# Altium PCB shkb.PcbDoc (part 1 of 3)
Units mil, origin at the board's own origin, x right, y up, seen from the top; angles counter-clockwise.
Board outline 5570.88 x 1417.33 mil, 4 copper layers (COMPONENT, GND1, GND2, SIGNAL), stack 63.78 mil thick; 143 components, 119 nets, 553 pads, 660 vias.
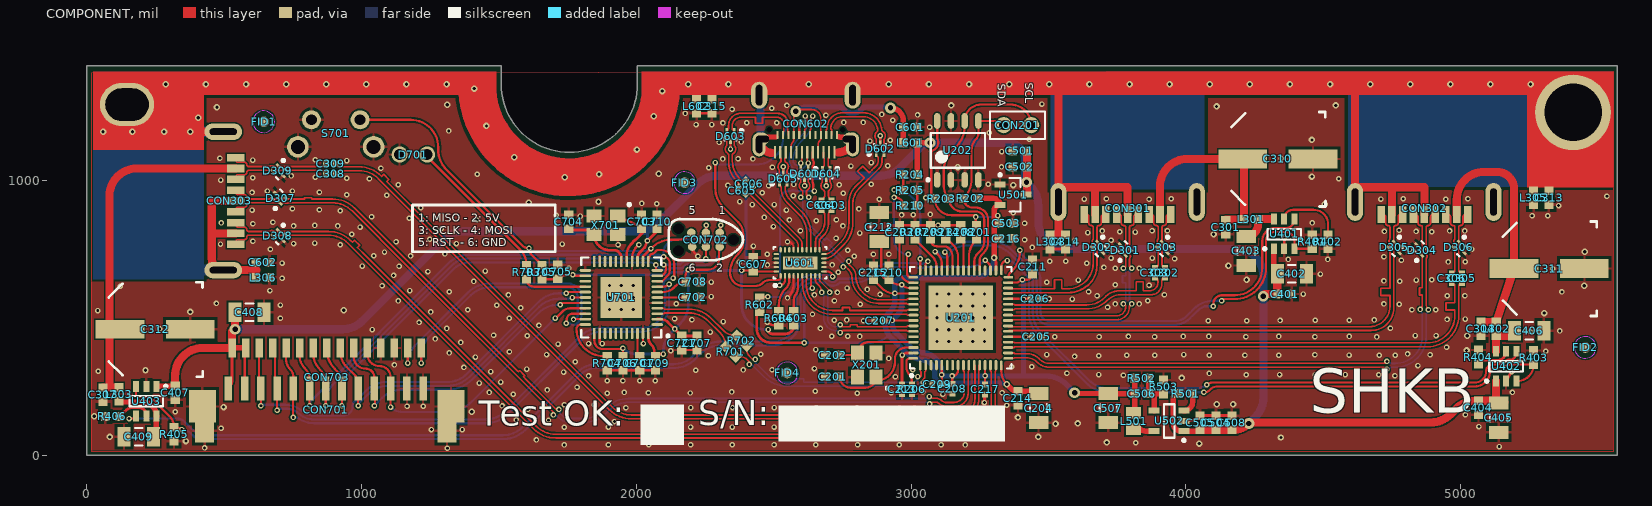
[diagram p0: COMPONENT view]
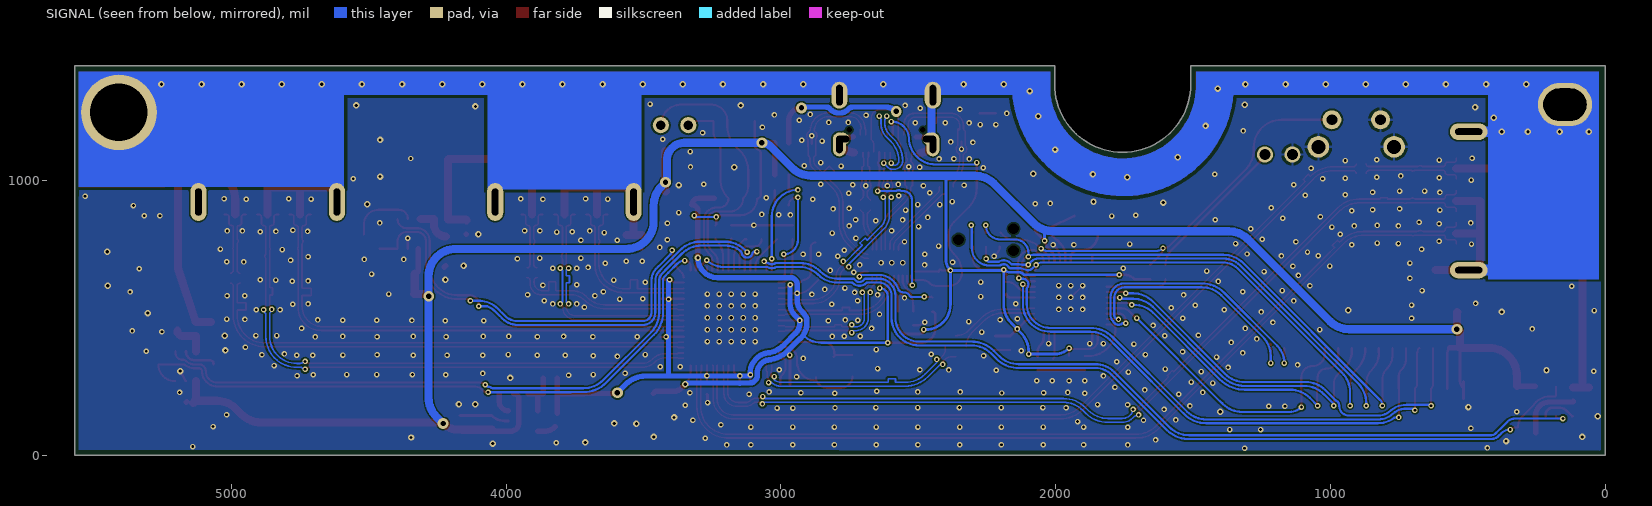
[diagram p1: SIGNAL view, seen from below]
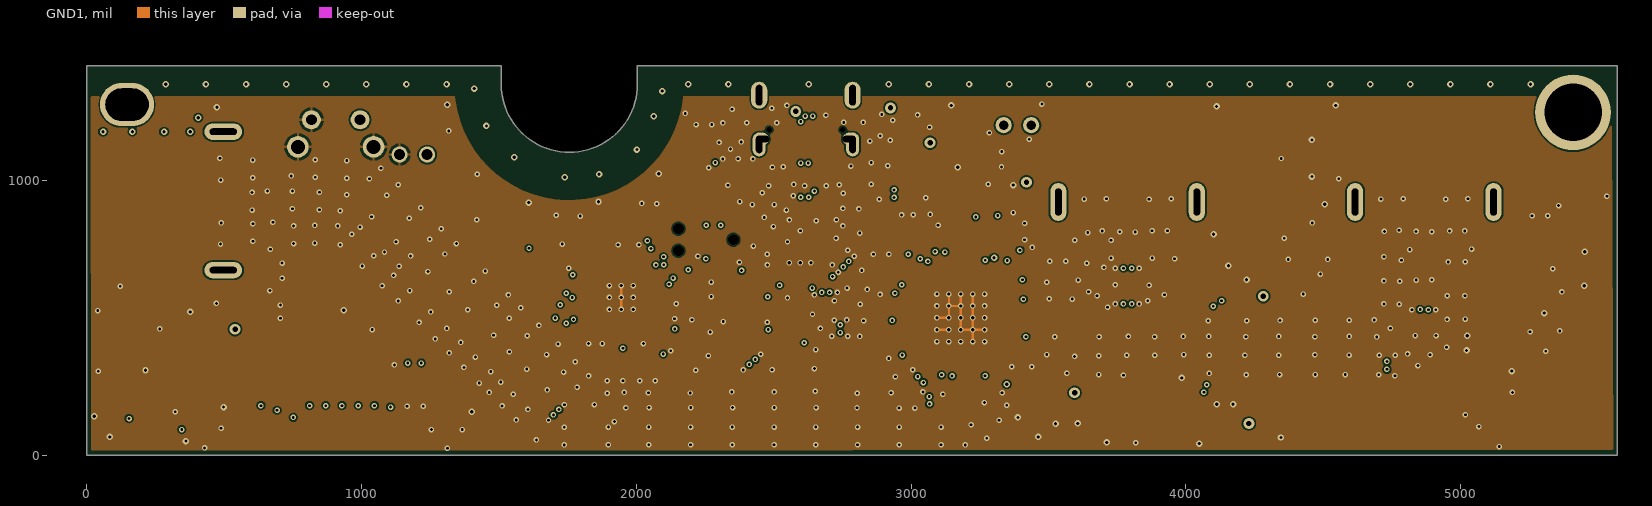
[diagram p2: GND1]
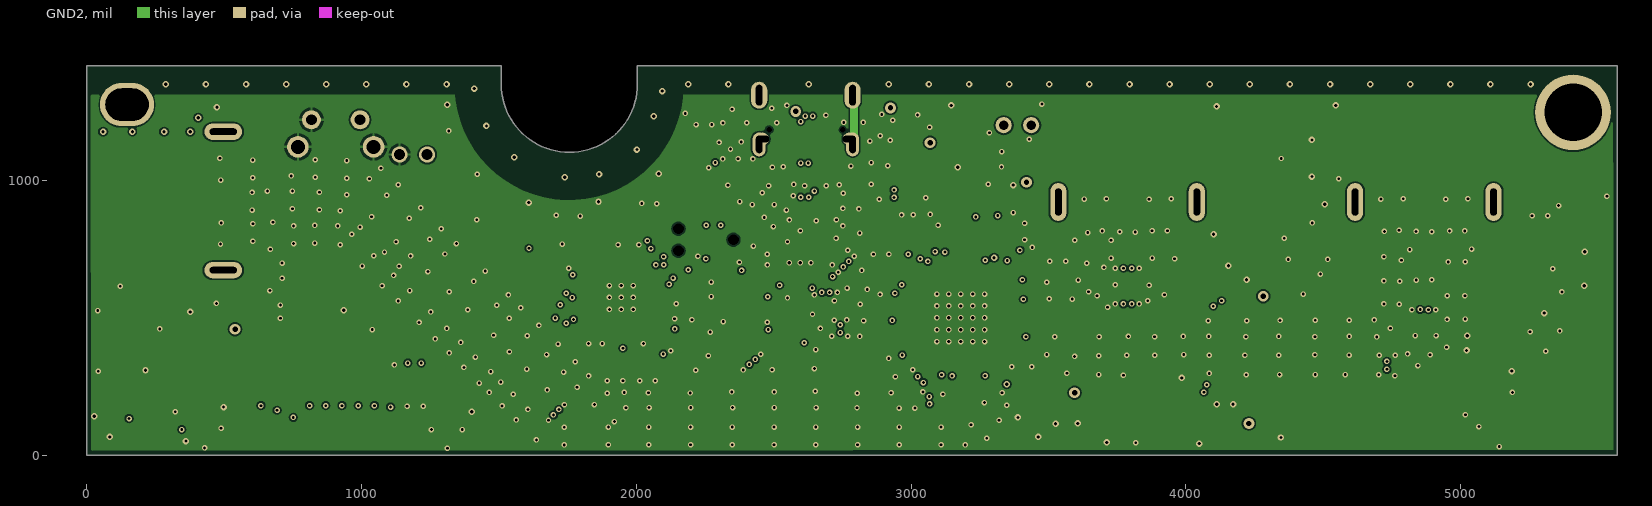
[diagram p3: GND2]

## Layer stack, top to bottom
Top Solder: solder mask 0.4, Solder Resist, Dk 3.5
COMPONENT: signal copper 1.378
Dielectric 1: core 5.5118, FR-4, Dk 4.6
GND1: signal copper 1.378
Dielectric 6: core 47.2441, Dk 4.6
GND2: signal copper 1.378
Dielectric 4: core 5.5118, Dk 4.6
SIGNAL: signal copper 1.378
Bottom Solder: solder mask 0.4, Solder Resist, Dk 3.5

## Board outline
0,0 0,1417.33 1507.88,1417.33 1507.88,1350.4 ccw(c1755.91,1350.4) 1755.91,1102.36 ccw(c1755.91,1350.4) 2003.94,1350.4 2003.94,1417.33 5570.88,1417.33 5570.88,0

## Design rules (kind name [scope] priority, off if disabled: settings)
BoardOutlineClearance [All] p1: gap=10 ignorepadtopadclearanceinfootprint=FALSE except(0: Arc-SplitContinuation Track-SplitContinuation SMDPad-SplitContinuation THPad-SplitContinuation Via-SplitContinuation Fill-SplitContinuation Poly-SplitContinuation Region-SplitContinuation Text-SplitContinuation)
Clearance Clearance_3 [InComponent('U603') vs InNet('SHELD1')] p1 off: gap=5.98 ignorepadtopadclearanceinfootprint=FALSE except(0: Arc-Hole Track-Hole SMDPad-Hole THPad-Hole Via-Hole Fill-Hole Poly-Hole Region-Hole Text-Hole)
Clearance Clearance_1 [InNamedPolygon('Component_side_GND') vs InNet('SHELD1')] p2 off: gap=40 ignorepadtopadclearanceinfootprint=FALSE except(0: Arc-Hole Track-Hole SMDPad-Hole THPad-Hole Via-Hole Fill-Hole Poly-Hole Region-Hole Text-Hole)
Clearance Clearance_2 [InNamedPolygon('S') vs InNet('SHELD1')] p3 off: gap=40 ignorepadtopadclearanceinfootprint=FALSE except(0: Arc-Hole Track-Hole SMDPad-Hole THPad-Hole Via-Hole Fill-Hole Poly-Hole Region-Hole Text-Hole)
Clearance [All] p4: gap=6 ignorepadtopadclearanceinfootprint=FALSE except(0: Arc-Hole Track-Hole SMDPad-Hole THPad-Hole Via-Hole Fill-Hole Poly-Hole Region-Hole Text-Hole)
DiffPairsRouting DiffPair_DIFF90DiffPairsRouting [InDifferentialPairClass('DIFF90')] p1: maxlimit=10 minlimit=5 mostfreqgap=8 toplayer_minwidth=6 toplayer_maxwidth=6 toplayer_prefwidth=6 midlayer2_minwidth=6 midlayer2_maxwidth=6 midlayer2_prefwidth=6 midlayer3_minwidth=6 midlayer3_maxwidth=6 midlayer3_prefwidth=6 bottomlayer_minwidth=6 bottomlayer_maxwidth=6 bottomlayer_prefwidth=6 maxuncoupledlength=0
DiffPairsRouting [All] p2: maxlimit=10 minlimit=8 mostfreqgap=8 toplayer_minwidth=6 toplayer_maxwidth=15 toplayer_prefwidth=6 midlayer2_minwidth=6 midlayer2_maxwidth=15 midlayer2_prefwidth=6 midlayer3_minwidth=6 midlayer3_maxwidth=15 midlayer3_prefwidth=6 bottomlayer_minwidth=6 bottomlayer_maxwidth=15 bottomlayer_prefwidth=6 maxuncoupledlength=500
DiffPairsRouting DiffPair_DiffPairsRouting [InDifferentialPairClass('DIFF90')] p3: maxlimit=10 minlimit=10 mostfreqgap=10 toplayer_minwidth=15 toplayer_maxwidth=15 toplayer_prefwidth=15 midlayer2_minwidth=15 midlayer2_maxwidth=15 midlayer2_prefwidth=15 midlayer3_minwidth=15 midlayer3_maxwidth=15 midlayer3_prefwidth=15 bottomlayer_minwidth=15 bottomlayer_maxwidth=15 bottomlayer_prefwidth=15 maxuncoupledlength=500
HoleSize [All] p1: absolutevalues=TRUE maxlimit=208.66 minlimit=10 maxpercent=80.000 minpercent=20.000
MatchedLengths MatchLengths_xSignals_U201_Passives [InxSignalClass('xSignals_U201_Passives_MatchLengthsClass')] p1: tolerance=5.12 checknetsindiffpair=FALSE checkdiffpairvsdiffpair=TRUE checkxsignals=TRUE checkothers=TRUE
MatchedLengths MatchLengths_xSignals_U201_CON303_1 [InxSignalClass('xSignals_U201_CON303_MatchLengthsClass')] p2: tolerance=5.12 checknetsindiffpair=FALSE checkdiffpairvsdiffpair=TRUE checkxsignals=TRUE checkothers=TRUE
MatchedLengths MatchLengths_xSignals_U201_CON303 [InxSignalClass('xSignals_U201_CON303_MatchLengthsClass')] p3: tolerance=5.12 checknetsindiffpair=FALSE checkdiffpairvsdiffpair=TRUE checkxsignals=TRUE checkothers=TRUE
MatchedLengths MatchedLengths_USB_DiffPairs_3 [InxSignalClass('USB_CHCON301_1_RX_1') OR InxSignalClass('USB_CHCON301_1_TX_1')] p4: tolerance=5 checknetsindiffpair=TRUE checkdiffpairvsdiffpair=FALSE checkxsignals=FALSE checkothers=FALSE
MatchedLengths MatchedLengths_USB_DiffPairs_2 [InxSignalClass('USB_CHCON602_1_RX_2')] p5: tolerance=5 checknetsindiffpair=TRUE checkdiffpairvsdiffpair=FALSE checkxsignals=FALSE checkothers=FALSE
MatchedLengths MatchedLengths_USB_DiffPairs_1 [InxSignalClass('USB_CHCON602_1_RX_1') OR InxSignalClass('USB_CHCON602_1_TX_1')] p6: tolerance=5 checknetsindiffpair=TRUE checkdiffpairvsdiffpair=FALSE checkxsignals=FALSE checkothers=FALSE
MatchedLengths MatchedLengths_USB_DiffPairs_602 [InxSignalClass('USB_CHCON602_1_DL')] p7: tolerance=5 checknetsindiffpair=TRUE checkdiffpairvsdiffpair=FALSE checkxsignals=FALSE checkothers=FALSE
MatchedLengths MatchedLengths_USB_DiffPairs_303 [InxSignalClass('USB_CHCON303_1_DL') OR InxSignalClass('USB_CHCON303_1_RX') OR InxSignalClass('USB_CHCON303_1_TX')] p8: tolerance=5 checknetsindiffpair=TRUE checkdiffpairvsdiffpair=FALSE checkxsignals=FALSE checkothers=FALSE
MatchedLengths MatchedLengths_USB_DiffPairs_302 [InxSignalClass('USB_CHCON302_1_DL') OR InxSignalClass('USB_CHCON302_1_RX') OR InxSignalClass('USB_CHCON302_1_TX')] p9: tolerance=5 checknetsindiffpair=TRUE checkdiffpairvsdiffpair=FALSE checkxsignals=FALSE checkothers=FALSE
MatchedLengths MatchedLengths_USB_DiffPairs_301 [InxSignalClass('USB_CHCON301_1_DL') OR InxSignalClass('USB_CHCON301_1_RX') OR InxSignalClass('USB_CHCON301_1_TX')] p10: tolerance=5 checknetsindiffpair=TRUE checkdiffpairvsdiffpair=FALSE checkxsignals=FALSE checkothers=FALSE
MatchedLengths MatchedLengths_USB_DiffPairs_201 [InxSignalClass('USB_CHU201_1_RX') OR InxSignalClass('USB_CHU201_1_TX')] p11: tolerance=5 checknetsindiffpair=TRUE checkdiffpairvsdiffpair=FALSE checkxsignals=FALSE checkothers=FALSE
MatchedLengths MatchedLengths_USB_DiffPairs_All [InxSignalClass('All xSignals')] p12: tolerance=5 checknetsindiffpair=TRUE checkdiffpairvsdiffpair=FALSE checkxsignals=FALSE checkothers=FALSE
MatchedLengths MatchedLengths_USB_DiffPairs [InxSignalClass('USB_CHCON602_1_RX') OR InxSignalClass('USB_CHCON602_1_TX')] p13: tolerance=5 checknetsindiffpair=TRUE checkdiffpairvsdiffpair=FALSE checkxsignals=FALSE checkothers=FALSE
MinimumAnnularRing [All] p1: minimumring=4
MinimumSolderMaskSliver [All] p1 off: minsoldermaskwidth=5.91
PlaneClearance PlaneClearance_PADS [(InComponent('U201') Or InComponent('U701')) and InNet('PAD1')] p1: clearance=15.75
PlaneClearance [All] p2: clearance=20
PlaneConnect Power_connection_VBUS [InNet('PAD1') And (InComponent('U201') Or InComponent('U701'))] p1: planeconnectstyle=Relief reliefexpansion=11.81 reliefentries=4 reliefconductorwidth=5.91 reliefairgap=10
PlaneConnect Power_connection_VBUS_1 [InNet('NetC601_2')] p2: planeconnectstyle=Direct reliefexpansion=20 reliefentries=4 reliefconductorwidth=10 reliefairgap=10
PlaneConnect [All] p3: planeconnectstyle=Relief reliefexpansion=20 reliefentries=4 reliefconductorwidth=10 reliefairgap=10
PolygonConnect PolygonConnect_1 [All vs IsVia] p1: connectstyle=Direct reliefconductorwidth=10 reliefentries=4 polygonreliefangle="90 Angle" airgapwidth=10
PolygonConnect [All] p2: connectstyle=Relief reliefconductorwidth=10 reliefentries=4 polygonreliefangle="90 Angle" airgapwidth=10
RoutingVias RoutingVias_1 [InDifferentialPairClass('DIFF90')] p1: holewidth=10 width=10 viastyle="Through Hole" minholewidth=10 minwidth=20 maxholewidth=10 maxwidth=20
RoutingVias [All] p2: holewidth=10 width=20 viastyle="Through Hole" minholewidth=10 minwidth=20 maxholewidth=28 maxwidth=50
SolderMaskExpansion [All] p1: expansion=4 istentingtop=FALSE
Width Width_USB_traces [InNet('MCU_D_N') Or InNet('MCU_D_P')] p1: maxlimit=6 minlimit=6 preferedwidth=6
Width [All] p2: maxlimit=140 minlimit=6 preferedwidth=8
25 further rules are at their usual default settings.

## Classes and differential pairs
component class Designator: C201 C202 C203 C204 C205 C206 C207 C208 C209 C210 C211 C212 C213 C214 C215 C216 C217 CON201 FID1 FID2 FID3 FID4 R201 R202 R203 R204 R205 R206 R207 R208 R209 R210 R214 U201 U202 X201
differential pair UP_SSTX: +UP_SSTX_P -UP_SSTX_N
differential pair UP_SSRX: +UP_SSRX_P -UP_SSRX_N
differential pair MCU_D_PRE: +MCU_D_PRE_P -MCU_D_PRE_N
differential pair UP_D: +UP_D_P -UP_D_N
differential pair P3_SSTX: +P3_SSTX_P -P3_SSTX_N
differential pair P3_SSTX_PRE: +P3_SSTX_PRE_P -P3_SSTX_PRE_N
differential pair P3_SSRX: +P3_SSRX_P -P3_SSRX_N
differential pair P3_D: +P3_D_P -P3_D_N
differential pair P2_SSTX: +P2_SSTX_P -P2_SSTX_N
differential pair P2_SSTX_PRE: +P2_SSTX_PRE_P -P2_SSTX_PRE_N
differential pair P2_SSRX: +P2_SSRX_P -P2_SSRX_N
differential pair P2_D: +P2_D_P -P2_D_N
differential pair P1_SSTX: +P1_SSTX_P -P1_SSTX_N
differential pair P1_SSTX_PRE: +P1_SSTX_PRE_P -P1_SSTX_PRE_N
differential pair P1_SSRX: +P1_SSRX_P -P1_SSRX_N
differential pair P1_D: +P1_D_P -P1_D_N
differential pair MCU_D: +MCU_D_P -MCU_D_N
differential pair UP_SSRX1: +UP_SSRX1_P -UP_SSRX1_N
differential pair UP_SSRX2: +UP_SSRX2_P -UP_SSRX2_N
differential pair UP_SSTX1_PRE: +UP_SSTX1_PRE_P -UP_SSTX1_PRE_N
differential pair UP_SSTX1: +UP_SSTX1_P -UP_SSTX1_N
differential pair UP_SSTX2_PRE: +UP_SSTX2_PRE_P -UP_SSTX2_PRE_N
differential pair UP_SSTX2: +UP_SSTX2_P -UP_SSTX2_N

## Components (designator, comment, footprint, x,y, rotation, side; value= is the part's Value field where it differs from the comment)
C201 "" C0603[1608] 2714,286 r0 top value=27pF
C202 "" C0603[1608] 2714,364 r0 top value=27pF
C203 "" C0603[1608] 2958,811 r90 top value=1uF
C204 "" C1206[3216] 3464,171 r90 top value=10uF
C205 "" C0402[1005] 3458,430 r180 top value=0.1uF
C206 "" C0402[1005] 3452,569 r180 top value=0.1uF
C207 "" C0402[1005] 2885,489 r0 top value=0.1uF
C208 "" C0402[1005] 3150,241 r90 top value=0.1uF
C209 "" C0402[1005] 3094.72,258.72 r0 top value=0.1uF
C210 "" C0603[1608] 2919.02,663.43 r270 top value=0.1uF
C211 "" C0603[1608] 3442,685 r270 top value=0.1uF
C212 "" C1206[3216] 2884,830 r270 top value=10uF
C213 "" C0402[1005] 2967,240 r90 top value=0.1uF
C214 "" C0603[1608] 3389,207 r90 top value=0.1uF
C215 "" C0603[1608] 2862.91,663.43 r270 top value=0.1uF
C216 "" C0603[1608] 3345.41,788 r180 top value=0.1uF
C217 "" C0402[1005] 3269,239 r90 top value=0.1uF
C301 "" C0603[1608] 4145,829 r90 top value=0.1uF
C302 "" C0402[1005] 3924,664 r270 top value=0.1uF
C303 "" C0402[1005] 3887,664 r270 top value=0.1uF
C304 "" C0603[1608] 5074,459.5 r90 top value=0.1uF
C305 "" C0402[1005] 5004.82,644 r90 top value=0.1uF
C306 "" C0402[1005] 4968,644 r90 top value=0.1uF
C307 "" C0603[1608] 58,220 r90 top value=0.1uF
C308 "" C0402[1005] 887.5,1024 r180 top value=0.1uF
C309 "" C0402[1005] 887.5,1061 r180 top value=0.1uF
C310 "" C_9L_9M 4335,1078 r0 top value=120-150uF
C311 "" C_9L_9M 5322.83,679 r0 top value=120-150uF
C312 "" C_9L_9M 248,458 r0 top value=120-150uF
C313 "" C0603[1608] 5322.35,937 r90 top value=0.1uF
C314 "" C0603[1608] 3562,776 r90 top value=0.1uF
C315 "" C0603[1608] 2275.5,1269.69 r90 top value=0.1uF
C401 "" C0603[1608] 4360,586 r180 top value=0.1uF
C402 "" C1206[3216] 4386,660 r180 top value=4.7uF
C403 "" C1206[3216] 4220,743 r90 top value=10uF
C404 "" C0603[1608] 5065,172 r90 top value=0.1uF
C405 "" C1206[3216] 5139,136 r90 top value=4.7uF
C406 "" C1206[3216] 5249.83,452.55 r180 top value=10uF
C407 "" C0603[1608] 321,227 r90 top value=0.1uF
C408 "" C1206[3216] 591.18,520 r180 top value=4.7uF
C409 "" C1206[3216] 188.32,66.75 r0 top value=10uF
C501 "" C0603[1608] 3395.59,1107 r0 top value=1uF
C502 "" C0603[1608] 3396,1049 r0 top value=1uF
C503 "" C0603[1608] 3346,844 r180 top value=1uF
C504 "" C0603[1608] 4110,118.11 r270 top value=1uF
C505 "" C0603[1608] 4052,118.11 r270 top value=0.1uF
C506 "" C0603[1608] 3840,224 r180 top value=18pF
C507 "" C1206[3216] 3718,171 r90 top value=10uF
C508 "" C0603[1608] 4168,118.11 r270 top value=1uF
C601 "" C0603[1608] 2997,1194 r180 top value=0.1uF
C602 "" C0603[1608] 639.77,701.3 r180 top value=0.1uF
C603 "" C0402[1005] 2710.69,910 r270 top value=0.1uF
C604 "" C0402[1005] 2673.37,910 r270 top value=0.1uF
C605 "" C0402[1005] 2384.65,962.68 r315 top value=0.1uF
C606 "" C0402[1005] 2410.08,988.15 r315 top value=0.1uF
C607 "" C0603[1608] 2425,695 r270 top value=0.1uF
C701 "" C0603[1608] 2012.5,334.65 r270 top value=0.1uF
C702 "" C0603[1608] 2205,575 r0 top value=1uF
C703 "" C0603[1608] 2019,849 r270 top value=18pF
C704 "" C0603[1608] 1754,849 r270 top value=18pF
C705 "" C0603[1608] 1714,667 r270 top value=0.1uF
C706 "" C0603[1608] 1951,334.65 r90 top value=0.1uF
C707 "" C0603[1608] 2221,408 r90 top value=0.1uF
C708 "" C0603[1608] 2205,631 r180 top value=0.1uF
C709 "" C0603[1608] 2069,334.65 r90 top value=1uF
C710 "" C0603[1608] 2075,849 r270 top value=0.1uF
C721 "" C0603[1608] 2165,408 r90 top value=0.1uF
CON201 "Header 2" HDR1X2 3437,1201 r180 top
CON301 "XKB USB-A u231-091n-4blra00-s" "XKB USB-A U231-091N-4BLRA00-S" 3787.99,921.26 r180 top
CON302 "XKB USB-A u231-091n-4blra00-s" "XKB USB-A U231-091N-4BLRA00-S" 4868.11,921.26 r180 top
CON303 "XKB USB-A u231-091n-4blra00-s" "XKB USB-A U231-091N-4BLRA00-S" 496.06,925.2 r270 top locked
CON602 "for up to 1.6mm pcb" "XKB USB-C U262-241N-4BV64" 2617.01,1220.47 r180 top locked
CON701 "HHKB-board connector" "JST S13B-ZR-SM4A-TF(LF)(SN)" 1223.55,242 r180 top locked
CON702 "TC2030-IDC" TC2030-IDC-NL 2253,784 r180 top
CON703 "HHKB-board connector JP" DF14A-15P-1.25H 872.49,177.17 r180 top locked
D301 "TPD2EUSB30A" TPD2EUSB30A 3775,751 r135 top
D302 "TPD2EUSB30A" TPD2EUSB30A 3683,751 r315 top
D303 "TPD2EUSB30A" TPD2EUSB30A 3919,751 r315 top
D304 "TPD2EUSB30A" TPD2EUSB30A 4855,751 r135 top
D305 "TPD2EUSB30A" TPD2EUSB30A 4763,751 r315 top
D306 "TPD2EUSB30A" TPD2EUSB30A 4999,751 r315 top
D307 "TPD2EUSB30A" TPD2EUSB30A 700,940 r135 top
D308 "TPD2EUSB30A" TPD2EUSB30A 700,794 r315 top
D309 "TPD2EUSB30A" TPD2EUSB30A 700,1030 r315 top
D601 "TPD2EUSB30A" TPD2EUSB30A 2612,1023.62 r270 top locked
D602 "TPD2EUSB30A" TPD2EUSB30A 2887.22,1114.83 r90 top
D603 "TPD2EUSB30A" TPD2EUSB30A 2342.52,1161.42 r270 top
D604 "TPD2EUSB30A" TPD2EUSB30A 2691,1023.62 r270 top
D605 "TPD2EUSB30A" TPD2EUSB30A 2534.42,1006.38 r90 top
D701 "LED1" "KINGBRIGHT WP934EW" 1188,1094 r0 top
FID1 "Plug" FIDUCIAL_NORDIC 643.5,1213.5 r180 top
FID2 "Plug" Fiducial_Nordic 5454,392 r270 top
FID3 "Plug" FIDUCIAL_NORDIC 2175,992 r180 top
FID4 "Plug" Fiducial_Nordic 2549,299 r270 top
L301 "Inductor" L0603[1608] 4237,858 r180 top value="220 @ 100MHz, 2A"
L302 "Inductor" L0603[1608] 5130,459.5 r90 top value="220 @ 100MHz, 2A"
L303 "Inductor" L0603[1608] 116,221 r90 top value="220 @ 100MHz, 2A"
L304 "Inductor" L0603[1608] 3505,776 r90 top value="220 @ 100MHz, 2A"
L305 "Inductor" L0603[1608] 5265.27,937 r90 top value="220 @ 100MHz, 2A"
L306 "Inductor" L0603[1608] 639.77,646.3 r180 top value="220 @ 100MHz, 2A"
L501 "Inductor" C0805 3810,124 r90 top value=2.2uH@800mA
L601 "Inductor" L0603[1608] 2997.02,1137 r0 top value="220 @ 100MHz, 2A"
L602 "Inductor" L0603[1608] 2218.5,1269.69 r90 top value="220 @ 100MHz, 2A"
R201 "" R0603[1608] 3238,811.02 r270 top value=10K
R202 "" R0603[1608] 3216.59,934.41 r0 top value=10K
R203 "" R0603[1608] 3112,934 r180 top value=10K
R204 "" R0603[1608] 2997,1021 r0 top value=90.9K
R205 "" R0603[1608] 2997.01,964 r0 top value=10K
R206 "" R0402[1005] 3003,240 r90 top value=9K53
R207 "" R0603[1608] 3014,811 r270 top value=10K
R208 "" R0603[1608] 3181,811.02 r270 top value=10K
R209 "" R0603[1608] 3070,811.02 r270 top value=10K
R210 "" R0603[1608] 2997,908 r180 top value=10K
R214 "" R0603[1608] 3126,811.02 r270 top value=10K
R401 "" R0603[1608] 4460,777 r90 top value=47K
R402 "" R0603[1608] 4517,777.01 r270 top value=28K7
R403 "" R0603[1608] 5266,355 r90 top value=47K
R404 "" R0603[1608] 5065,357 r90 top value=28K7
R405 "" R0603[1608] 317,76 r270 top value=47K
R406 "" R0603[1608] 92,141 r180 top value=28K7
R501 "" R0603[1608] 3999,224 r0 top value=10K
R502 "" R0603[1608] 3840,280 r0 top value=237K
R503 "" R0603[1608] 3919,248 r90 top value=200K
R602 "" R0603[1608] 2449,547.59 r270 top value=200K
R603 "" R0603[1608] 2573,498 r270 top value=909K
R604 "" R0603[1608] 2518,498 r270 top value=10K
R701 "" R0603[1608] 2343.45,376.45 r135 top value=22R
R702 "" R0603[1608] 2383.35,416.55 r135 top value=22R
R703 "" R0603[1608] 1600,666 r90 top value=1K
R704 "" R0603[1608] 1894,334.65 r90 top value=10K
R705 "" R0603[1608] 1656,666 r270 top value=10K
S701 "SW-PB" "WURTH 431256038736" 905.51,1220.47 r180 top locked
U201 "TUSB8041" TUSB8041_VQFN 3180.69,499.75 r90 top locked
U202 "M24C02-WMN6TP" "STMicroelectronics M24C02-WMN6TP" 3170,1109 r90 top value=2KB
U401 "TPS2552D" SOT-23-6 4358,805 r90 top
U402 "TPS2552D" SOT-23-6 5165.83,323.55 r90 top
U403 "TPS2552D" SOT-23-6 216,196 r270 top
U501 "SOT23 LDO" SOT-23-3 3371,948 r0 top
U502 "LM3674" SOT-23-5 3938.75,124.28 r180 top
U601 "hd3ss3220" HD3SS3220 2596,700 r90 top locked
U701 "ATMEGA32U4" ATMEGA32U4 1945,573.69 r180 top
X201 "XTAL" XTAL-3225 2839,328 r90 top value=24MHZ
X701 "XTAL" XTAL-3225 1889,837 r180 top
